# KiCad board Tartarus Liquid Rocketry Control System.kicad_pcb (continued)
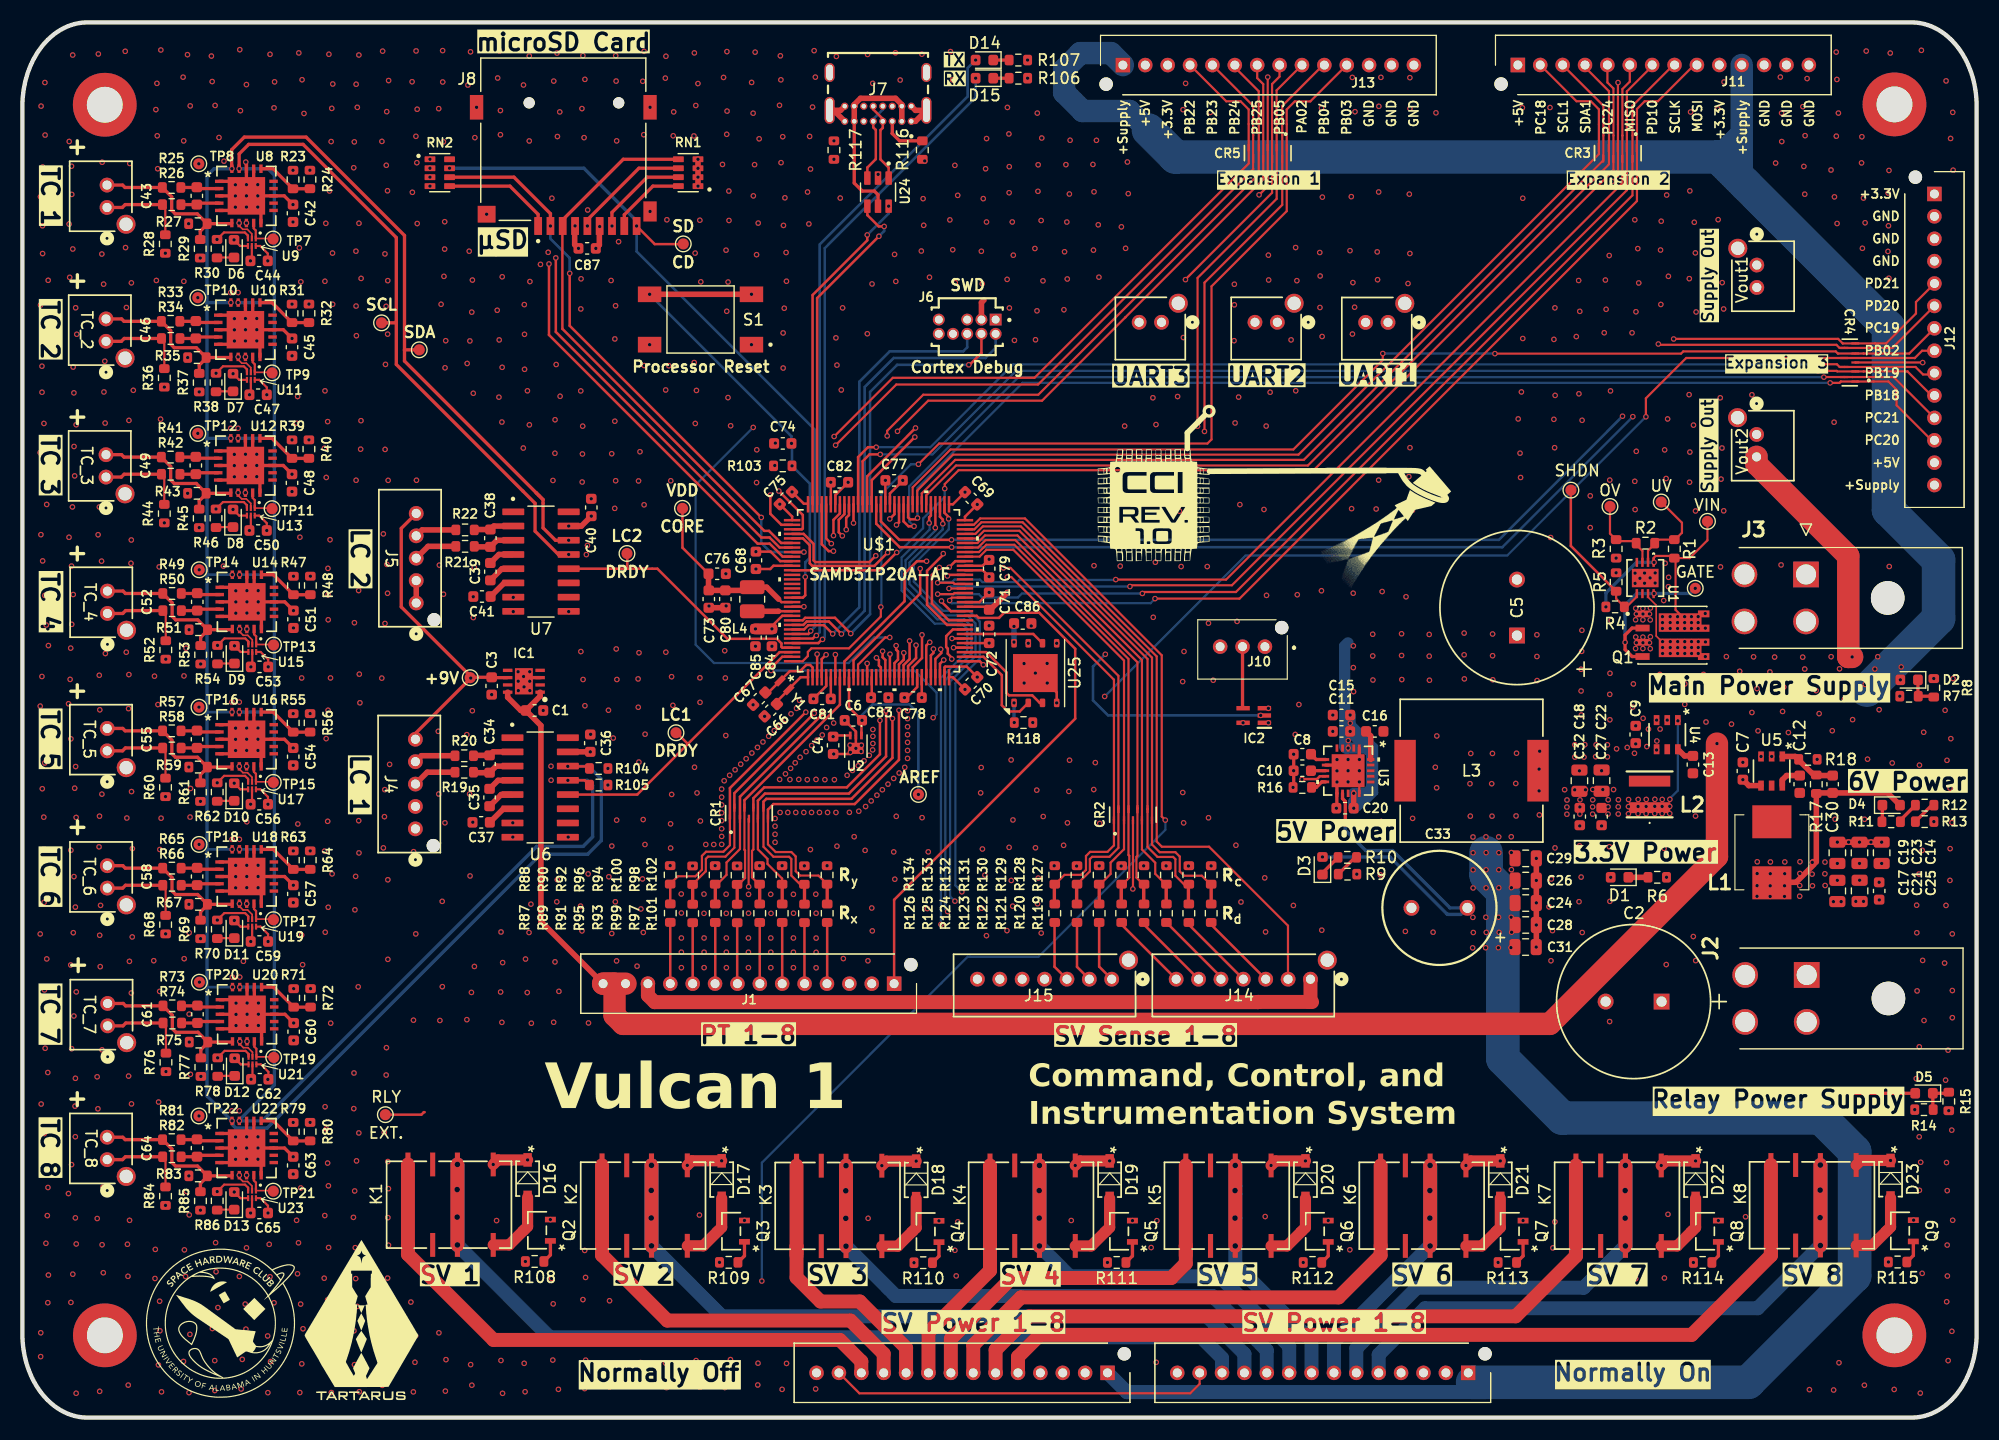
[diagram p0: board, top side]
## Routing (per net, layer and track width the routed paths; a pad name or vN(x,y) marks a point on that pad's centre or on a via; arc(x,y) is an arc through that point) (continued)
D27_SV6_SENSE_PA13: length 42.6
  Top w0.2: 96.21,46.25 96.21,47.56 96.24,47.56 97.23,48.56 97.23,49.57 98.43,50.77 CR2.2 98.43,67.62 88.54,77.51 86.14,77.51 85.52,76.9 U$1.56
  Top w0.3: 96.22,47.63 96.22,45.87 96.23,45.86
D28_SV_LEDS_CTRL_PA14: length 58.5
  Top w0.2: J14.2 113.08,39.17 113.08,43.94 106.03,50.99 101.81,50.99 101.35,51.45 101.35,67.99 89.37,79.97 85.69,79.97 85.06,79.33 U$1.62
D29_PB19: length 104.1
  Top w0.2: v1(159.96,94.07) 159.97,94.08 162.13,94.08 162.37,93.84 CR4.8 169.15,93.84 169.82,93.17 170.71,93.17
  Top w0.23: U$1.85 74.67,85.78 75.55,86.67 v1(76.29,86.67)
  Bottom w0.2: v1(76.29,86.67) 81.12,86.67 88.52,94.07 v1(159.96,94.07)
D36_SV8_SENSE_PA12: length 44.9
  Top w0.2: 92.22,47.58 93.12,48.48 94.59,48.48 95.03,48.92 95.03,50.16 95.4,50.53 96.95,50.53 97.53,51.11 97.53,53.45 ; v1(88,75.08) 88.36,75.08 97.53,65.91 CR2.1
  Top w0.23: U$1.52 82.75,75.27 v1(82.65,75.17)
  Top w0.3: 92.21,45.87 92.21,47.63 92.2,47.64
  In3.Cu w0.23: v1(88,75.08) 87.52,74.6 83.59,74.6 83.01,75.17 v1(82.65,75.17)
D38_PB15_EXT_LEDS_CTRL: length 39.4
  Top w0.23: 82.02,72.97 82.05,72.94 v1(82.12,72.94) 82.12,72.87 82.97,72.02 U$1.44
  In3.Cu w0.23: v1(96.76,68.18) 92.48,72.46 82.6,72.46 v1(82.12,72.94)
  Bottom w0.23: v1(96.76,68.18) 95.66,67.08 95.66,64.06 97,62.72 v1(110.64,62.72)
D39_PT_LEDS_CTRL_PB14: length 48.1
  Top w0.23: J1.1 77.89,46.25 94.07,62.43 94.07,68.67 90.85,71.89 87.72,71.89 87.26,71.43 85.44,71.43 85.25,71.61 U$1.43
D40_SV2_SENSE_PC13: length 47.2
  Top w0.2: U$1.60 85.24,78.52 85.92,79.21 89.08,79.21 100.53,67.76 CR2.6 100.53,50.97 101.42,50.08 102.82,50.08 103.02,49.88 103.02,48.4 103.87,47.55 104.22,47.55 104.22,46.24
  Top w0.3: 104.19,47.62 104.19,45.86 104.2,45.85
D41_SV4_SENSE_PC12: length 43.7
  Top w0.2: U$1.58 85.39,77.71 86.06,78.38 88.72,78.38 99.63,67.47 CR2.7 ; 100.22,47.55 99.54,48.23 99.54,50.09 99.63,50.18 99.63,54.44 ; 100.22,47.55 100.22,46.24 ; 100.22,47.55 100.12,47.55
  Top w0.3: 100.19,47.63 100.19,45.87 100.2,45.86
D42_SV3_SENSE_PC15: length 44.9
  Top w0.2: 100.03,53.45 100.03,50.75 101.22,49.56 101.22,48.57 102.22,47.57 102.22,46.24 ; CR2.4 100.03,67.67 88.91,78.79 86.01,78.79 85.34,78.12 U$1.59
  Top w0.3: 102.2,47.63 102.2,45.87 102.21,45.86
D43_SV1_SENSE_PC14: length 49.2
  Top w0.2: 106.22,46.24 106.22,47.56 105.38,48.4 103.8,48.4 103.41,48.79 103.41,50.11 103.02,50.5 101.62,50.5 100.93,51.19 CR2.5 100.93,67.88 89.21,79.6 85.82,79.6 85.15,78.93 U$1.61
  Top w0.3: 106.22,47.63 106.22,45.87 106.23,45.86
D44_SV5_SENSE_PC11: length 42.7
  Top w0.2: U$1.57 85.47,77.3 86.13,77.96 88.63,77.96 98.83,67.76 CR2.8 98.83,50.25 98.9,50.18 98.9,48.23 98.22,47.55 98.22,46.24
  Top w0.3: 98.19,45.84 98.18,45.85 98.18,47.61
D45_SV7_SENSE_PC10: length 45.1
  Top w0.2: 97.93,54.44 97.93,50.89 97.13,50.09 95.58,50.09 95.38,49.89 95.38,48.79 94.23,47.64 94.23,46.26 ; CR2.9 97.93,66.25 88.29,75.89 v1(87.65,75.89)
  Top w0.23: v1(82.81,75.95) 83.35,76.49 U$1.55
  Top w0.3: 94.2,47.61 94.2,45.85 94.21,45.84
  In3.Cu w0.23: v1(82.81,75.95) 87.59,75.95 v1(87.65,75.89)
D88_PC24: length 99
  Top w0.2: J11.5 141.62,119.25 142.16,118.71 142.16,111.41 115.37,84.62 83.65,84.62 82.41,83.38 v1(82.41,82.97)
  Top w0.23: U$1.108 72.05,75.68 76.52,75.68 78.11,77.27 v1(78.12,77.27)
  Bottom w0.2: v1(78.12,77.27) 78.3,77.27 80.48,79.45 80.48,80.3 82.41,82.23 v1(82.41,82.97)
FLASH_CS: length 13.2
  Top w0.23: U$1.40 83.14,70.39 82.54,69.8 82.54,68.82 82.68,68.68 82.68,68.22 83.04,67.87 v1(83.04,67.75)
  In3.Cu w0.23: v1(88.61,63.83) 86.89,63.83 83.04,67.68 v1(83.04,67.75)
  Bottom w0.3: v1(88.61,63.83) 88.61,62.1 v1(88.63,62.08)
FLASH_IO0: length 9.1
  Top w0.23: v1(85.86,67.24) 85.55,67.55 U$1.33
  In3.Cu w0.23: v1(92.42,69.16) 91.37,68.12 86.74,68.12 v1(85.86,67.24)
FLASH_IO1: length 9.6
  Top w0.23: U25.2 89.11,63.07 88.07,63.07 87.51,63.63 87.51,66.32 85.87,67.96 U$1.34
FLASH_IO2: length 9.9
  Top w0.23: U$1.35 86.13,68.36 87.94,66.55 87.94,64.72 88.15,64.51 90.23,64.51 90.9,63.83 U25.3
FLASH_IO3: length 7.9
  Top w0.23: v1(83.2,68.77) U$1.36
  In3.Cu w0.23: v1(83.2,68.77) 83.31,68.66 89.38,68.66 v1(89.88,69.16)
FLASH_SCK: length 7.3
  Top w0.23: U25.6 90.32,69.99 U$1.39
MISO: length 89.5
  Top w0.2: J11.6 143.62,119.32 142.96,118.66 142.96,114.51 142.96,110.26 107.55,74.85 v1(97.69,74.85) ; U$1.50 83.28,74.46 83.17,74.57 v1(81.78,74.57)
  Bottom w0.2: v1(81.78,74.57) 81.85,74.64 83.08,74.64 83.29,74.85 85.56,74.85 85.78,74.63 88.89,74.63 89.08,74.82 97.67,74.82 97.69,74.8 v1(97.69,74.85)
MOSI: length 93.2
  Top w0.2: v1(101.2,73.15) 108.75,73.15 144.26,108.66 144.26,116.88 144.95,117.57 146.13,117.57 149.37,120.81 J11.9 ; 82.79,72.98 83.05,73.24 U$1.47
  Bottom w0.2: v1(101.2,73.15) 101.2,73.14 100.8,72.74 83.03,72.74 82.79,72.98
  vias: v1(82.85,72.98)
RXLED: length 58.6
  Top w0.23: U$1.124 71.12,69.17 71.45,69.5 v1(71.49,69.5)
  Bottom w0.23: v1(85.17,119.63) 85.17,117.92 71.69,104.44 71.69,69.7 v1(71.49,69.5)
SCK: length 92.8
  Top w0.2: v1(81.78,73.55) 83.18,73.55 83.28,73.65 U$1.48 ; J11.8 147.51,120.81 143.86,117.16 143.86,109.17 108.43,73.74 100.2,73.74 v1(100.07,73.61)
  Bottom w0.2: v1(100.07,73.61) 89.31,73.61 88.95,73.25 85.76,73.25 85.46,73.55 81.93,73.55 81.93,73.55 v1(81.78,73.55)
SCL_1: length 84.2
  Top w0.2: U$1.71 80.36,82.54 83.35,85.54 114.49,85.54 141.26,112.31 141.26,117.17 J11.3
SCL_PB21: length 243.3
  Top w0.23: U$1.87 73.86,80.6 73.61,80.36 v1(73.61,79.31) ; R105.2 50.25,56.92 v1(48.74,56.92)
  Top w0.3: TP5.1 33.41,97.78 33.41,97.91 ; 19.37,112.86 20.22,113.72 25.08,113.72 33.41,105.39 33.41,97.91 ; 33.41,97.91 33.41,94.06 45.81,81.66 45.81,79.17 47.89,77.09 v1(48.81,77.09) ; 19.37,112.86 v1(19.37,111.54)
  In3.Cu w0.23: v1(48.81,77.09) 51.03,79.31 v1(73.61,79.31)
  Bottom w0.23: 22.42,99.59 22.43,99.59 ; v1(19.41,75.28) 19.41,75.29 22.56,75.29 ; v1(19.39,50.75) 22.54,50.75
  Bottom w0.3: 22.51,38.61 22.51,29.7 19.38,26.58 ; 22.51,38.61 22.51,38.45 v1(19.42,38.45) ; 22.51,38.61 22.51,63.06 ; 22.51,63.06 22.47,63.01 v1(19.38,63.01) ; 22.51,63.06 22.51,66.82 22.52,66.82 22.52,67.28 22.51,67.28 22.51,87.47 ; 22.51,99.59 22.51,110.97 21.94,111.54 v1(19.37,111.54) ; 22.51,99.59 22.31,99.59 v1(19.28,99.59) ; 22.51,99.59 22.51,87.47 ; v1(48.74,56.92) 50.48,56.92 50.95,56.45 50.95,51.87 50.1,51.02 45.96,51.02 21.45,26.5 v1(19.38,26.5) ; 22.51,87.47 22.51,87.46 v1(19.28,87.46)
SD_CD: length 68.7
  Top w0.23: v1(54.88,106.43) 56.5,104.81 59.03,104.81 TP25.1 59.04,104.82 ; v1(70.43,70.26) 70.43,70.2 70.22,69.99 U$1.122
  Bottom w0.23: v1(70.43,70.26) 70.82,70.64 70.82,88.22 54.88,104.16 v1(54.88,106.43)
  Bottom w0.3: v1(38.17,111.59) 50.17,111.59 54.88,106.88 v1(54.88,106.43)
SD_CS: length 52.8
  Top w0.23: v1(69.83,77.3) U$1.104 ; v1(66.02,80.4) 48.9,97.52 v1(48.9,102.2)
  Top w0.3: v1(47.18,106.43) 47.18,107.53 43.92,110.79 RN2.6
  Bottom w0.23: v1(69.83,77.3) 69.83,77.31 66.83,77.31 66.02,78.12 v1(66.02,80.4) ; v1(48.9,102.2) 48.9,103.57 47.18,105.29 v1(47.18,106.43)
SD_MISO: length 53.3
  Top w0.23: U$1.105 67.93,76.9 66.77,78.06 65.69,78.06 47.05,96.7 v1(47.05,103.04)
  Top w0.3: v1(52.68,106.43) 52.68,107.64 55.83,110.79 RN1.7
  In3.Cu w0.23: v1(47.05,103.04) 51.98,103.04 52.65,103.71 52.65,106.4 v1(52.68,106.43)
SD_MOSI: length 50.8
  Top w0.23: J8.3 48.25,106.4 48.25,97.24 66.29,79.2 66.71,79.2 67.79,78.12 U$1.102
  Top w0.3: RN1.5 53.69,112.39 48.28,106.98 J8.3
SD_SCK: length 51.8
  Top w0.23: U$1.103 67.66,77.71 66.76,78.61 66.02,78.61 47.66,96.97 v1(47.66,103.58)
  Top w0.3: v1(50.48,106.43) 50.48,106.98 55.09,111.59 RN1.6
  In3.Cu w0.23: v1(50.48,106.43) 50.45,106.4 50.45,103.8 50.23,103.58 v1(47.66,103.58)
SDA_1: length 83.8
  Top w0.2: J11.4 139.62,120.61 141.76,118.47 141.76,111.94 114.86,85.04 83.42,85.04 80.76,82.38 U$1.70
SDA_PB20: length 241.4
  Top w0.23: v1(74.26,79.9) 74.26,81.57 U$1.86 ; R104.2 50.49,58.16 48.77,58.16 U6.14
  Top w0.3: TP6.1 34.16,95.37 34.14,95.35 ; v1(48.81,78.36) 47.63,78.36 46.52,79.47 46.52,81.99 ; 45.91,82.6 46.52,81.99 ; 45.91,82.6 34.14,94.37 34.14,95.35 ; 45.91,82.6 46.52,81.99 ; 18.7,111.53 18.7,113.23 19.83,114.37 25.35,114.37 34.14,105.58 34.14,95.35
  In3.Cu w0.23: v1(74.26,79.9) 74.09,79.9 74.05,79.86 50.31,79.86 v1(48.81,78.36)
  Bottom w0.23: 16.51,50.75 16.51,50.75 v1(18.74,50.75) ; 16.5,63.01 16.5,63.01 v1(18.73,63.01) ; v1(18.77,38.45) 16.54,38.45 16.54,38.44 ; 16.53,75.28 v1(18.76,75.28)
  Bottom w0.3: 18.71,26.5 16.5,28.72 16.5,87.41 16.49,87.43 ; v1(18.63,87.46) 16.52,87.46 16.49,87.43 ; 16.49,99.61 16.51,99.59 v1(18.63,99.59) ; 16.49,99.61 16.49,87.43 ; 16.49,99.61 16.49,110.9 17.13,111.54 v1(18.72,111.54) ; v1(18.73,26.5) 18.83,26.5 18.83,26.09 19.07,25.86 21.86,25.86 46.32,50.32 50.51,50.32 51.73,51.54 51.73,57.03 50.59,58.17 v1(48.73,58.17)
SS: length 88.9
  Top w0.2: v1(98.96,74.23) 99.07,74.34 108.07,74.34 143.36,109.63 143.36,118.45 145.62,120.71 J11.7 ; U$1.49 84.21,74.05 v1(82.79,74.05)
  Bottom w0.2: v1(82.79,74.05) 82.97,74.23 v1(98.96,74.23)
SWCLK: length 41.3
  Top w0.23: v1(84.56,94.03) 84.62,94.09 84.69,94.09 85.69,95.09 J6.04 ; U$1.119 69.72,71.21 69.95,71.43 72.6,71.43 v1(74.01,70.03)
  Bottom w0.23: v1(84.56,94.03) 78.16,94.03 75.74,91.61 75.74,71.76 v1(74.01,70.03)
SWDIO: length 42.3
  Top w0.23: U$1.120 69.78,70.8 70.08,71.1 72.06,71.1 v1(73.18,69.99)
  Bottom w0.23: v1(73.18,69.99) 75.26,72.07 75.26,92.05 77.85,94.64 86.05,94.64 86.96,95.55 J6.02
SWO: length 39.7
  Top w0.23: U$1.121 69.84,70.39 70.22,70.77 71.63,70.77 v1(72.4,70)
  Bottom w0.23: J6.06 84.42,95.59 84.06,95.23 77.49,95.23 74.78,92.52 74.78,72.38 v1(72.4,70)
TXLED: length 59.6
  Top w0.23: v1(70.94,69.85) 70.85,69.76 70.8,69.76 70.62,69.58 U$1.123
  Bottom w0.23: v1(70.94,69.85) 71.24,70.15 71.24,104.78 84.46,118 84.46,120.53 v1(85.17,121.25)
UART1_RX: length 56.9
  Top w0.23: v1(81.93,75.93) 81.26,75.26 81.26,72.71 82.77,71.21 U$1.42
  In3.Cu w0.23: v1(81.93,75.93) 82.68,76.68 82.69,76.68 82.7,76.68 83.12,76.68 83.13,76.68 83.74,76.68 84.26,77.2 102.67,77.2 122.02,96.54 122.02,97.71
UART1_TX: length 57.2
  Top w0.23: v1(82.28,77.17) 82.28,77.08 80.83,75.63 80.83,72.59 82.62,70.8 U$1.41
  In3.Cu w0.23: v1(82.28,77.17) 82.33,77.22 83.44,77.22 84.08,77.86 102.42,77.86 120.02,95.45 UART1.2 119.91,97.71 119.8,97.71
UART2_RX: length 42.5
  Top w0.23: v1(77.5,80.27) 77.92,80.69 U$1.77
  In3.Cu w0.23: UART2.2 110.13,96 98.51,84.38 81.59,84.38 77.5,80.29 v1(77.5,80.27)
UART2_TX: length 43.9
  Top w0.23: v1(78.1,79.73) 78.33,79.95 U$1.76
  In3.Cu w0.23: 111.66,97.77 111.66,97.79 ; UART2.1 112.13,97.03 98.78,83.68 82.05,83.68 v1(78.1,79.73)
UART3_RX: length 34.3
  Top w0.23: v1(79.8,88.39) 75.48,84.07 U$1.83
  In3.Cu w0.23: v1(79.8,88.39) 93.41,88.39 99.78,94.76 UART3.2
UART3_TX: length 35.1
  Top w0.23: v1(79.74,87.58) 75.89,83.72 U$1.82
  In3.Cu w0.23: UART3.1 101.78,95.71 93.65,87.58 v1(79.74,87.58)
USB_VBUS: length 16.8
  Top w0.3: U24.5 76.45,109.22 76.12,109.55 75.04,109.55 74.33,110.26 J7.A9
  Top w0.5: J7.A4 78.58,117.27 78.02,117.83 74.89,117.83 74.33,117.27 J7.A9
~{RESET}: length 61.7
  Top w0.23: U$1.114 69.74,73.24 69.95,73.45 v1(69.95,75.09)
  Top w0.5: 68.71,87.15 68.72,87.15 v1(68.72,87.01) ; v1(56.04,100.33) v1(65.14,100.33)
  In3.Cu w0.5: J6.10 79.57,96.8 76.04,100.33 v1(65.14,100.33)
  Bottom w0.23: v1(69.95,75.09) 69.95,76.39 70.36,76.8 70.36,83.41 v1(68.77,85.01) 68.77,86.96 v1(68.72,87.01) 68.72,87.64 56.04,100.31 v1(56.04,100.33)
Net-(D1-K): length 1.8
  Top w0.5: D1.1 R6.2
Net-(D2-K): length 2.9
  Top w0.3: R8.1 170.71,64.43 R7.1 169.37,64.46 D2.1
Net-(D3-K): length 2.1
  Top w0.3: D3.1 116.16,48.64 R9.2
Net-(D4-K): length 1.5
  Top w0.3: D4.1 166.19,53.26 R11.2
Net-(D5-K): length 2.9
  Top w0.3: 172.12,29.06 172.03,28.97 D5.1 170.7,27.54 R14.1
Net-(D6-K): length 1.5
  Top w0.2: R30.2 17.43,103.61 D6.1
Net-(D7-K): length 1.5
  Top w0.2: R38.2 17.34,91.66 D7.1
Net-(D8-K): length 1.5
  Top w0.2: R46.2 17.34,79.53 D8.1
Net-(D9-K): length 1.5
  Top w0.2: D9.1 17.47,67.35 R54.2
Net-(D10-K): length 1.5
  Top w0.2: D10.1 17.45,55.08 R62.2
Net-(D11-K): length 1.5
  Top w0.2: D11.1 17.46,42.82 R70.2
Net-(D12-K): length 1.5
  Top w0.2: R78.2 17.49,30.52 D12.1
Net-(D13-K): length 1.5
  Top w0.2: D13.1 17.45,18.57 R86.2
Net-(D14-K): length 1.4
  Top w0.3: D14.1 R106.2
Net-(D15-K): length 1.4
  Top w0.3: D15.1 R107.1
Net-(D16-A): length 6.3
  Top w1: D16.2 45.14,17.07 Q2.3 43.49,15.42 K1.8
Net-(D17-A): length 6.3
  Top w1: D17.2 62.48,16.99 Q3.3 60.83,15.34 K2.8
Net-(D18-A): length 6.3
  Top w1: K3.8 78.21,15.31 Q4.3 79.86,16.96 D18.2
Net-(D19-A): length 6.3
  Top w1: D19.2 97.15,16.98 Q5.3 95.5,15.33 K4.8
Net-(D20-A): length 6.3
  Top w1: D20.2 114.64,16.98 Q6.3 112.99,15.33 K5.8
Net-(D21-A): length 6.3
  Top w1: K6.8 130.4,15.33 Q7.3 132.05,16.98 D21.2
Net-(D22-A): length 6.3
  Top w1: K7.8 147.85,15.33 Q8.3 149.5,16.98 D22.2
Net-(D23-A): length 6.3
  Top w1: D23.2 166.92,17.02 Q9.3 165.27,15.37 K8.8
Net-(IC2-Y): length 5.5
  Top w0.3: J10.2 109.02,63.41 IC2.4
Net-(J3-1_2): length 20.5
  Top w0.2: R1.1 148.97,76.76 150.56,78.36 TP28.1 ; R1.1 147.71,76.65 147.71,72.14 Q1.7_8 ; R1.1 147.41,76.96 145.93,76.96 145.75,76.78 U1.1
  Bottom w0.3: v1(141.49,72.41) 141.49,73.64 144.22,76.38 v1(145.79,76.38)
  vias: v1(146.54,71.54) v1(146.54,71.01) v1(146.54,70.48) v1(147.23,71.54) v1(147.23,71.01) v1(147.23,70.48) v1(147.89,71.54) v1(147.89,71.01) v1(147.89,70.48) v1(148.52,71.54) v1(148.52,71.01) v1(148.52,70.48) v1(149.13,71.54) v1(149.13,71.01) v1(149.13,70.48) v1(149.73,71.54) v1(149.73,71.01) v1(149.73,70.48) v1(150.36,71.82) v1(150.37,70.51)
Net-(J4-Pad3): length 4
  Top w0.5: J4.3 36.17,57.64 R19.1
Net-(J4-Pad4): length 3.8
  Top w0.5: 38.66,59.11 35.64,59.11 J4.4
Net-(J5-Pad3): length 4
  Top w0.5: R21.1 36.25,77.81 J5.3
Net-(J5-Pad4): length 3.8
  Top w0.5: J5.4 35.72,79.28 R22.1
Net-(J7-CC1): length 4.1
  Top w0.3: J7.A5 77.73,114.69 77.72,114.69 78.38,114.03 R116.2
Net-(J7-CC2): length 5
  In3.Cu w0.23: v1(72.51,114.03) 72.87,114.39 72.87,116.15 73.14,116.42 74.47,116.42 J7.B5
Net-(J7-DN1): length 7.2
  Top w0.23: J7.A7 76.03,115.23 76.25,115.01 76.25,112.4 75.5,111.65 U24.3
  Bottom w0.23: J7.B7 76.88,116.82 76.03,115.97 J7.A7
Net-(J7-DP1): length 7.2
  Top w0.23: J7.B6 76.03,116.84 76.88,115.99 J7.A6 76.88,115.19 76.67,114.99 76.67,112.38 77.4,111.65 U24.1
Net-(J8-DAT1): length 6.9
  Top w0.3: J8.8 53.78,107.43 56.34,109.99 RN1.8
Net-(J8-DAT2): length 10
  Top w0.3: RN2.5 43.56,109.99 46.08,107.47 J8.1
Net-(J14-Pad3): length 7.1
  Top w0.23: J14.3 106.22,44.03 R119.1
Net-(J14-Pad4): length 7.1
  Top w0.23: J14.4 104.22,44.03 R120.1
Net-(J14-Pad5): length 7.1
  Top w0.23: J14.5 107.09,39.35 R121.1
Net-(J14-Pad6): length 7.1
  Top w0.23: J14.6 100.22,44.03 R122.1
Net-(J14-Pad7): length 7.1
  Top w0.23: R123.1 98.22,44.03 J14.7
Net-(J15-Pad1): length 5.5
  Top w0.23: J15.1 96.21,40.28 R124.1
Net-(J15-Pad2): length 5.5
  Top w0.23: J15.2 94.23,40.26 R125.1
Net-(J15-Pad3): length 5.5
  Top w0.23: R126.1 92.22,44.2 92.22,40.27 J15.3
Net-(Q1-Pad1):
  vias: v1(144.15,72.29) v1(144.21,71.78) v1(144.14,71.26) v1(144.15,69.72) v1(144.21,69.21) v1(144.14,68.69) v1(144.79,72.28) v1(144.8,71.77) v1(144.79,71.26) v1(144.79,69.71) v1(144.8,69.2) v1(144.79,68.69) v1(145.38,71.78) v1(145.38,69.21) v1(145.46,72.31) v1(145.45,71.25) v1(145.46,69.74) v1(145.45,68.68)
Net-(Q2-G): length 2.1
  Top w0.3: 47.18,15.78 47.18,14.53 R108.1
Net-(Q3-G): length 2.1
  Top w0.3: 64.52,15.7 64.52,14.45 R109.1
Net-(Q4-G): length 2.1
  Top w0.3: Q4.1 81.9,14.42 81.32,13.84
Net-(Q5-G): length 2.1
  Top w0.3: Q5.1 99.18,14.44 R111.1
Net-(Q6-G): length 2.1
  Top w0.3: R112.1 116.68,14.44 Q6.1
Net-(Q7-G): length 2.1
  Top w0.3: Q7.1 134.09,14.44 R113.1
Net-(Q8-G): length 2.1
  Top w0.3: Q8.1 151.54,14.44 R114.1
Net-(Q9-G): length 2.1
  Top w0.3: Q9.1 168.96,14.48 R115.1
Net-(R10-Pad2): length 2.3
  Top w0.3: R10.2 119.08,50.04 R9.1
Net-(R11-Pad1): length 2
  Top w0.3: R12.2 167.8,53.36 R11.1
Net-(R12-Pad1): length 2.3
  Top w0.3: R12.1 170.61,54.7 R13.2
Net-(R26-Pad2): length 8
  Top w0.2: R26.2 12.77,108.08 12.77,105.46
  Top w0.3: R26.2 9.19,108.34 8.93,108.08 7.56,108.08
Net-(R34-Pad2): length 8
  Top w0.2: 12.68,93.5 12.68,96.13 R34.2
  Top w0.3: R34.2 9.1,96.38 8.84,96.13 TC_2.1
Net-(R42-Pad2): length 8
  Top w0.2: 12.68,81.38 12.68,84 R42.2
  Top w0.3: TC_3.1 8.84,84 9.1,84.26 R42.2
Net-(R50-Pad2): length 8
  Top w0.2: 12.81,69.2 12.81,71.82 R50.2
  Top w0.3: 7.6,71.82 8.97,71.82 9.23,72.08 R50.2
Net-(R58-Pad2): length 8
  Top w0.2: 12.79,56.93 12.79,59.55 R58.2
  Top w0.3: 7.58,59.55 8.95,59.55 9.2,59.81 R58.2
Net-(R66-Pad2): length 8
  Top w0.2: R66.2 12.8,47.29 12.8,44.67
  Top w0.3: 7.59,47.29 8.96,47.29 9.21,47.55 R66.2
Net-(R74-Pad2): length 8
  Top w0.2: R74.2 12.83,34.99 12.83,32.36
  Top w0.3: TC_7.1 8.99,34.99 9.24,35.24 R74.2
Net-(R82-Pad2): length 8
  Top w0.2: 12.79,20.42 12.79,23.04 R82.2
  Top w0.3: R82.2 9.2,23.3 8.95,23.04 7.58,23.04
Net-(U1-GATE): length 15.1
  Top w0.3: Q1.2 143.83,70.51 143.2,69.89 v1(143.2,69.24) 143.2,68.6 143.83,67.97 Q1.4
  Bottom w0.3: v1(149.47,74.07) 149.01,73.61 145.8,73.61 v1(145.79,73.6) 144.23,73.6 143.2,72.57 v1(143.2,69.24)
Net-(U1-OV): length 7.1
  Top w0.2: TP27.1 141.85,78.96 142.39,78.41 R3.1 142.54,78.28 144.02,78.28 R2.2 144.2,77.96 144.75,77.41 U1.3
Net-(U1-SHDN): length 14.2
  Top w0.2: R5.1 142.4,73.14 143.14,72.41 143.33,72.41 144.25,73.33 U1.5
  Top w0.23: TP29.1 138.35,82.83 138.35,77.85 R5.1
Net-(U1-UV): length 8.3
  Top w0.2: TP4.1 148.28,79.93 148.28,79.03 147.67,78.41 R1.2 146.16,78.41 R2.1 145.85,78.02 145.25,77.43 U1.2
Net-(U3-BST): length 2.7
  Top w0.5: C16.2 120.47,60.87 U3.20
Net-(U3-INTVCC): length 1.5
  Top w0.3: U3.6 115.6,58.78 C8.1
Net-(U3-RT): length 1.5
  Top w0.3: U3.10 116.1,56.78 115.61,56.29 R16.2
Net-(U3-SS): length 1.3
  Top w0.3: U3.8 115.14,57.78 C10.1
Net-(U4-BST): length 1.6
  Top w0.5: C13.1 148.51,59.1 U4.6
Net-(U5-BST): length 2.2
  Top w0.5: C12.1 157.63,57.34 157.25,56.96 U5.6
Net-(U5-FB): length 5.2
  Top w0.5: U5.1 158.4,59.05 160.1,57.34 C30.2
Net-(U6-VBG): length 2.5
  Top w0.5: C37.2 42.98,54.38 U6.6
Net-(U6-VIN1N): length 3.6
  Top w0.5: 40.31,59.11 40.34,59.15 C34.1 42.05,59.46 U6.2
Net-(U6-VIN1P): length 3.7
  Top w0.5: R19.2 40.35,57.6 C34.2 42.33,58.19 U6.3
Net-(U6-VIN2N): length 2.4
  Top w0.5: C35.1 42.5,56.92 U6.4
Net-(U6-VIN2P): length 2.5
  Top w0.5: U6.5 42.78,55.65 C35.2
Net-(U7-VBG): length 2.5
  Top w0.5: C41.2 43.05,74.55 U7.6
Net-(U7-VIN1N): length 3.6
  Top w0.5: U7.2 42.12,79.63 C38.1 40.41,79.32 R22.2
Net-(U7-VIN1P): length 3.7
  Top w0.5: U7.3 42.4,78.36 C38.2 40.42,77.77 R21.2
Net-(U7-VIN2N): length 2.4
  Top w0.5: U7.4 42.57,77.09 C39.1
Net-(U7-VIN2P): length 2.5
  Top w0.5: U7.5 42.85,75.82 C39.2
Net-(U8-ADDR): length 5.1
  Top w0.3: U8.16 22.39,111.54 24.18,109.75 25.69,109.75 R23.2
Net-(U8-OCALERT): length 3
  Top w0.15: TP7.1 22.35,105.31 20.85,105.31
  Top w0.2: U8.9 20.67,106.22 20.85,106.03 20.85,105.31
Net-(U8-SCALERT): length 9.1
  Top w0.15: v1(19.37,106.69) 19.37,106.46 19.69,106.13 20.1,106.13 20.5,105.73 20.5,105.31
  Top w0.2: v1(19.37,106.69) 19.37,106.46
  In3.Cu w0.3: v1(19.37,106.69) 15.76,110.3 v1(15.76,111.98)
Net-(U8-VIN+): length 3.5
  Top w0.3: U8.2 15.71,109.77 C43.1 15.56,109.87 R25.1
Net-(U8-VIN-): length 3.5
  Top w0.3: 14.17,108.34 15.58,108.34 C43.2 15.71,108.47 U8.4
Net-(U8-VSENSE): length 15
  Top w0.3: R27.1 15.63,107.51 13.66,107.51 13.34,107.83 13.34,109.03 R25.2 9.17,109.87 8.95,110.08 TC_1.2 ; R27.1 18.66,106.63 U8.6 ; R27.1 16.51,106.57 15.89,105.96 R29.2
Net-(U10-ADDR): length 5.1
  Top w0.3: U10.16 22.3,99.59 R32.1 25.6,97.8 R31.2
Net-(U10-OCALERT): length 3
  Top w0.15: U11.1 22.26,93.36 TP9.1
  Top w0.2: U11.1 20.76,94.08 20.58,94.26 U10.9
Net-(U10-SCALERT): length 9.1
  Top w0.15: v1(19.28,94.74) 19.28,94.5 19.6,94.17 20.01,94.17 20.41,93.77 U11.2
  Top w0.2: v1(19.28,94.74) 19.28,94.51
  In3.Cu w0.3: v1(15.67,100.03) 15.67,98.34 v1(19.28,94.74)
Net-(U10-VIN+): length 3.5
  Top w0.3: R33.1 15.47,97.91 C46.1 15.62,97.81 U10.2
Net-(U10-VIN-): length 3.5
  Top w0.3: R34.1 15.49,96.38 C46.2 15.62,96.51 U10.4
Net-(U10-VSENSE): length 15
  Top w0.3: R35.1 18.57,94.68 U10.6 ; R35.1 16.42,94.62 15.8,94 R37.2 ; R35.1 15.54,95.55 13.57,95.55 13.25,95.87 13.25,97.08 R33.2 9.08,97.91 8.86,98.13 TC_2.2
Net-(U12-ADDR): length 5.1
  Top w0.3: U12.16 22.3,87.46 R40.1 25.6,85.67 R39.2
Net-(U12-OCALERT): length 3
  Top w0.15: TP11.1 22.26,81.23 U13.1
  Top w0.2: U12.9 20.58,82.14 20.76,81.95 U13.1
Net-(U12-SCALERT): length 9.1
  Top w0.15: v1(19.28,82.61) 19.28,82.38 19.6,82.05 20.01,82.05 20.41,81.65 U13.2
  Top w0.2: v1(19.28,82.61) 19.28,82.38
  In3.Cu w0.3: v1(19.28,82.61) 15.67,86.22 v1(15.67,87.9)
Net-(U12-VIN+): length 3.5
  Top w0.3: U12.2 15.62,85.69 C49.1 15.47,85.79 R41.1
Net-(U12-VIN-): length 3.5
  Top w0.3: U12.4 15.62,84.39 C49.2 15.49,84.26 R42.1
Net-(U12-VSENSE): length 15
  Top w0.3: R43.1 16.42,82.49 15.8,81.88 R45.2 ; R43.1 18.57,82.55 U12.6 ; R43.1 15.54,83.43 13.57,83.43 13.25,83.75 13.25,84.95 R41.2 9.08,85.79 8.86,86 TC_3.2
Net-(U14-ADDR): length 5.1
  Top w0.3: 21.36,75.28 22.43,75.28 24.22,73.49 25.73,73.49 R47.2
Net-(U14-OCALERT): length 3
  Top w0.15: TP13.1 22.39,69.05 U15.1
  Top w0.2: U14.9 20.71,69.96 20.89,69.77 U15.1
Net-(U14-SCALERT): length 9.1
  Top w0.15: U15.2 20.54,69.47 20.14,69.87 19.73,69.87 19.41,70.2 v1(19.41,70.43)
  Top w0.2: v1(19.41,70.43) 19.41,70.2
  In3.Cu w0.3: v1(15.8,75.72) 15.8,74.04 v1(19.41,70.43)
Net-(U14-VIN+): length 3.5
  Top w0.3: R49.1 15.6,73.61 C52.1 15.75,73.51 U14.2
Net-(U14-VIN-): length 3.5
  Top w0.3: R50.1 15.62,72.08 C52.2 15.75,72.21 U14.4
Net-(U14-VSENSE): length 15
  Top w0.3: R51.1 16.55,70.31 15.93,69.7 R53.2 ; R51.1 15.67,71.25 13.7,71.25 13.38,71.57 13.38,72.77 R49.2 9.21,73.61 8.99,73.82 TC_4.2 ; R51.1 18.7,70.37 U14.6
Net-(U16-ADDR): length 5.1
  Top w0.3: R55.2 25.7,61.22 R56.1 22.41,63.01 U16.16
Net-(U16-OCALERT): length 3
  Top w0.15: TP15.1 22.37,56.78 U17.1
  Top w0.2: U17.1 20.87,57.5 20.68,57.69 U16.9
Net-(U16-SCALERT): length 9.1
  Top w0.15: v1(19.38,58.16) 19.38,57.93 19.71,57.6 20.12,57.6 20.52,57.2 U17.2
  Top w0.2: v1(19.38,58.16) 19.38,57.93
  In3.Cu w0.3: v1(19.38,58.16) 15.78,61.77 v1(15.78,63.45)
Net-(U16-VIN+): length 3.5
  Top w0.3: R57.1 15.58,61.34 C55.1 15.73,61.24 U16.2
Net-(U16-VIN-): length 3.5
  Top w0.3: U16.4 15.73,59.94 C55.2 15.6,59.81 R58.1
Net-(U16-VSENSE): length 15
  Top w0.3: R59.1 18.67,58.1 U16.6 ; R59.1 16.52,58.04 15.91,57.43 R61.2 ; R59.1 15.65,58.98 13.68,58.98 13.36,59.3 13.36,60.5 R57.2 9.18,61.34 8.97,61.55 7.58,61.55
Net-(U18-ADDR): length 5.1
  Top w0.3: U18.16 22.42,50.75 R64.1 25.71,48.96 R63.2
Net-(U18-OCALERT): length 3
  Top w0.15: TP17.1 22.38,44.52 U19.1
  Top w0.2: U19.1 20.88,45.24 20.69,45.43 U18.9
Net-(U18-SCALERT): length 9.1
  Top w0.15: U19.2 20.53,44.94 20.13,45.34 19.72,45.34 19.39,45.67 v1(19.39,45.9)
  Top w0.2: v1(19.39,45.9) 19.39,45.67
  In3.Cu w0.3: v1(19.39,45.9) 15.79,49.51 v1(15.79,51.19)
Net-(U18-VIN+): length 3.5
  Top w0.3: U18.2 15.74,48.98 C58.1 15.59,49.08 R65.1
Net-(U18-VIN-): length 3.5
  Top w0.3: R66.1 15.61,47.55 15.74,47.68 U18.4
Net-(U18-VSENSE): length 15
  Top w0.3: U18.6 18.68,45.84 R67.1 ; R67.1 15.66,46.72 13.69,46.72 13.37,47.04 13.37,48.24 R65.2 9.19,49.08 8.98,49.29 TC_6.2 ; R67.1 16.53,45.78 15.92,45.17 R69.2
Net-(U20-ADDR): length 5.1
  Top w0.3: R71.2 25.74,36.66 R72.1 22.45,38.45 U20.16
Net-(U20-OCALERT): length 3
  Top w0.15: U21.1 22.41,32.22 TP19.1
  Top w0.2: U21.1 20.91,32.94 20.72,33.12 U20.9
Net-(U20-SCALERT): length 9.1
  Top w0.15: U21.2 20.56,32.63 20.16,33.04 19.75,33.04 19.42,33.36 v1(19.42,33.6)
  Top w0.2: v1(19.42,33.6) 19.42,33.37
  In3.Cu w0.3: v1(19.42,33.6) 15.82,37.2 v1(15.82,38.89)
Net-(U20-VIN+): length 3.5
  Top w0.3: R73.1 15.62,36.77 C61.1 15.77,36.67 U20.2
Net-(U20-VIN-): length 3.5
  Top w0.3: U20.4 15.77,35.37 C61.2 15.64,35.24 R74.1
Net-(U20-VSENSE): length 15
  Top w0.3: R77.2 15.95,32.87 16.56,33.48 R75.1 ; R75.1 15.69,34.42 13.72,34.42 13.4,34.74 13.4,35.94 R73.2 9.22,36.77 9.01,36.99 TC_7.2 ; R75.1 18.71,33.54 U20.6
Net-(U22-ADDR): length 5.1
  Top w0.3: U22.16 22.41,26.5 24.2,24.71 25.7,24.71 R79.2
Net-(U22-OCALERT): length 3
  Top w0.15: TP21.1 22.37,20.27 U23.1
  Top w0.2: U22.9 20.68,21.18 20.87,20.99 U23.1
Net-(U22-SCALERT): length 9.1
  Top w0.15: U23.2 20.52,20.69 20.12,21.09 19.71,21.09 19.38,21.42 v1(19.38,21.65)
  Top w0.2: v1(19.38,21.65) 19.38,21.42
  In3.Cu w0.3: v1(15.78,26.94) 15.78,25.26 v1(19.38,21.65)
Net-(U22-VIN+): length 3.5
  Top w0.3: U22.2 15.73,24.73 C64.1 15.58,24.83 R81.1
Net-(U22-VIN-): length 3.5
  Top w0.3: R82.1 15.6,23.3 C64.2 15.73,23.43 U22.4
Net-(U22-VSENSE): length 15
  Top w0.3: R83.1 18.67,21.59 U22.6 ; R83.1 15.65,22.47 13.68,22.47 13.36,22.79 13.36,23.99 R81.2 9.18,24.83 8.97,25.04 TC_8.2 ; R83.1 16.52,21.53 15.91,20.92 R85.2
Net-(U$1A-PA00/I0/SERCOM1.0/TC2.0): length 3.9
  Top w0.23: U$1.1 69.54,66.13 68.48,65.06 Y1.2 67.41,63.96 C66.2
Net-(U$1A-PA01/I1/SERCOM1.1/TC2.1): length 6.2
  Top w0.23: U$1.2 70.6,67 70.38,67.23 70.04,67.23 69.48,66.67 68.56,66.67 Y1.1 66.66,64.76 C67.2
Net-(U$1E-VDDCORE): length 19.2
  Top w0.23: U$1.115 67.82,72.83 67.57,73.09 67.57,73.1 67.56,73.1 66.49,74.17 L4.1 ; C76.1 58.98,77.69 TP26.1
  Top w0.5: 67.57,73.1 66.5,74.17 L4.1 64.93,73.88 C80.1 C73.1 61.31,73.91 C76.1
Net-(U$1E-VSW): length 5.9
  Top w0.23: U$1.117 65.21,72.02 L4.2
  Top w0.5: L4.2 67.54,72.02 67.54,72.02

## Copper pours and planes (outline as drawn; the poured copper is in the pictures)
+3V3 on Top: 147.58,55.43 147.57,53.56 137.47,53.62 137.46,56.75 142.08,56.76 143.11,55.59 147.58,55.6
+3V3 on In2.Cu: -6.93,128.81 180.62,128.81 180.75,-4.81 -6.93,-4.68 -6.94,128.82
+5V on Top: 114.16,39.65 114.15,36.86 114.65,36.5 133.04,36.48 134.18,37.07 134.19,41.08 128.02,41.08 126.55,40.14 119.22,40.12 114.66,40.1
+5V on Top, Bottom, In3.Cu: 136.48,60.53 136.37,60.64 129.38,60.66 127.97,59.25 127.95,40.52 128.69,39.96 133.78,39.96 134.18,40.4 134.19,51.44 136.5,52.51
+5V on In3.Cu: 135.02,68.41 134.38,68.77 132.69,68.77 132.2,69.22 132.23,71.76 131.63,72.36 110.84,72.36 110,71.73 110.03,66.44 110.74,65.7 119.05,65.7 119.65,65.24 119.65,62.99 120.07,62.49 127.95,62.48 128.45,62.21 128.44,58.75 134.98,58.73 135.02,60.28
+6V on Top: 154.64,46.15 154.25,46.54 154.25,49.42 154.79,50.06 166.67,50.07 166.86,49.88 166.85,47.45 166.55,47.17 159.94,47.19 158.94,46.16
+6V on In2.Cu: 153.23,48.79 154.81,50.08 166.67,50.08 166.86,49.89 166.88,22.17 165.16,20.15 41.04,20.17 39.93,21.37 39.93,26.51 41.3,28.48 148.77,28.39 151.42,30.96 151.44,47.43
GND on Top: 146.19,75.82 146.19,74.17 143.62,74.17 143.33,74.95 141.96,74.95 141.82,75.12 141.82,77.13 141.96,77.27 142.86,77.27 143.21,76.82 144.36,76.82 144.4,76.77 144.4,75.99 144.51,75.82
GND on Top: 138.3,57.15 141.96,57.15 142.15,57.41 142.15,58.81 142.46,59.07 146.32,59.06 146.37,59.12 146.37,60.61 146.23,60.73 143.41,60.73 142.94,60.51 138.28,60.51
GND on Top, Bottom, In1.Cu, In3.Cu, In4.Cu: -4.52,129.55 181.48,129.31 181.65,-6.42 -8.21,-7.26 -4.5,129.55 -4.51,129.55 -4.55,129.49 -4.55,129.5 -4.51,129.54
GND on In2.Cu: 57.63,37.61 56.88,38.08 56.97,50.23 58.24,51.54 61.48,51.54 62.07,52.11 62.07,56.6 62.08,57.05 68.57,63.41 68.94,63.77 79.5,63.76 79.49,58.51 79.49,58.05 74.98,53.66 73.56,53.66 72.84,52.91 72.85,38.18 72.58,37.55 57.64,37.59
+Relay_External on Top: 140.78,14.25 140.32,14.6 140.32,24.09 139.86,24.66 142.26,24.65 141.71,24.06 141.71,14.51 141.23,14.25
+Relay_External on Top: 158.21,14.29 157.75,14.64 157.75,24.13 157.29,24.7 159.69,24.69 159.14,24.1 159.14,14.55 158.66,14.29
+Relay_External on Top: 71.17,14.23 70.71,14.58 70.71,24.07 70.25,24.64 72.65,24.63 72.1,24.04 72.1,14.49 71.62,14.23
+Relay_External on Top: 123.36,14.26 122.9,14.61 122.9,24.1 122.44,24.67 124.84,24.66 124.29,24.07 124.29,14.52 123.81,14.26
+Relay_External on Top: 163.78,25.1 164.18,25.41 164.17,35.81 163.12,37.49 162.87,37.95 144.63,37.96 141.79,33.85 35.53,33.85 34.77,33.2 34.76,24.92 35.5,24.4 163.78,24.34 163.78,25.11 163.79,25.11 163.79,25.11 163.77,25.07 163.75,25.09
+Relay_External on Top: 105.91,14.27 105.45,14.62 105.45,24.11 104.99,24.68 107.39,24.67 106.84,24.08 106.84,14.53 106.36,14.27
+Relay_External on Top: 53.77,14.21 53.31,14.56 53.31,24.05 52.85,24.62 55.25,24.61 54.7,24.02 54.7,14.47 54.22,14.21
+Relay_External on Top: 36.42,14.32 35.96,14.67 35.96,24.16 35.5,24.73 37.9,24.72 37.35,24.13 37.35,14.58 36.87,14.32
+Relay_External on Top: 88.42,14.26 87.96,14.61 87.96,24.1 87.5,24.67 89.9,24.66 89.35,24.07 89.35,14.52 88.87,14.26
+Supply on Top: 147.22,62.84 147.34,62.71 147.34,61.75 147.22,61.64 145.17,61.64 144.72,61.17 143.6,61.17 143.44,61.27 143.44,62.14 144.15,62.85 145.61,62.85
+Supply on Top, Bottom: 150.74,69.59 151.65,68.98 167.77,68.96 168.46,68.67 168.46,65.7 168.16,65.32 166.94,65.32 166.95,61.8 165.83,60.73 157.09,60.75 156.78,60.16 156.79,58.42 156.34,58 152.87,58 149.29,60.34 149.27,62.6 148.5,63.24 147.64,63.24 147.4,62.92 147.39,61.83 146.78,61.07 143.17,61.06 138.89,61.07 134.92,64.41 121.32,64.43 119.4,61.68 119.4,60.91 119.08,60.13 119.08,59.47 117.83,59.47 117.83,63.7 117.84,69.28 119.7,71.14 139.82,71.13 142.87,67.49 146.21,67.49 146.22,69.59
+Supply on In3.Cu: 158.41,68.51 157.8,67.93 157.83,61.86 158.47,61.17 165.66,61.14 166.59,62.01 166.62,67.66 165.08,68.45 158.42,68.51
Net-(C16-Pad1) on Top: 120.04,58.4 120.14,58.51 120.9,58.51 121.16,59.35 121.16,61.65 121.29,61.78 124.55,61.78 124.6,55.04 124.5,54.93 121.91,54.92 120.9,57.06 120.14,57.06 120.04,57.15
Net-(J3-1_2) on Top, Bottom, In1.Cu, In2.Cu, In3.Cu, In4.Cu: 146.21,70.18 150.74,70.18 151.97,69.33 159.85,69.33 160.98,70.46 160.98,71.83 159.9,72.92 152.06,72.92 150.88,72.22 146.22,72.22
Net-(Q1-Pad1) on Top: 143.91,72.35 144.08,72.51 145.42,72.51 145.66,72.35 145.66,71.21 145.51,71.05 144.03,71.05 143.91,71.29
Net-(Q1-Pad1) on Top: 143.93,69.8 144.1,69.96 145.44,69.96 145.68,69.8 145.68,68.66 145.53,68.5 144.05,68.5 143.93,68.74
Net-(Q1-Pad1) on Bottom, In1.Cu, In2.Cu, In3.Cu, In4.Cu: 143.9,72.38 144.01,72.49 145.41,72.53 145.67,72.32 145.66,68.52 145.5,68.42 144.17,68.42 143.91,68.6
Net-(U4-SW) on Top: 147.27,56.09 149.74,56.09 149.84,56.29 149.84,57.93 149.74,58.03 148.2,58.03 147.74,58.63 147.41,59.1
Net-(U4-SW) on Top: 147.25,60.18 147.41,60.04 147.41,56.38 147.27,56.09 143.51,56.09 143.37,56.21 143.37,57.38 143.59,57.56 144.4,58.2 146.13,58.19 146.61,59.26 146.61,60.15 146.63,60.18
Net-(U5-SW) on Top: 159.29,56.3 159.34,56.24 159.34,51.9 159.09,51.64 158.07,51.64 158.07,54.79 158.3,55.28 158.3,56.22 158.45,56.37 159.21,56.37
Net-(U5-SW) on Top: 158.07,51.64 158.17,51.74 158.17,54.69 158.4,55.63 156.81,55.63 156.73,55.74 156.55,55.99 156.55,56.89 156.06,56.89 156.06,56 155.9,55.64 154.46,55.63 154.47,51.74 154.57,51.64

Small or netless copper shapes (teardrops, artwork), in the pictures only: 24 on Top, 2 on Bottom, 6 on In3.Cu

## Text on the board
F.Silkscreen: x | y | d | c | +Supply | PB19 | PB18 | PC20 | +5V | +3.3V | PD21 | PD20 | PC19 | PB02 | PC21 | GND | PA02 | PB04 | MOSI | PB22 | PB23 | PB24 | PB25 | PB05 | PB03 | PC18 | SCL1 | SDA1 | PC24 | MISO | PD10 | SCLK | RLY / EXT. | SHDN | OV | UV | GATE | VIN | RX | TX | Expansion 3 | Expansion 1 | Expansion 2 | Supply Out | SCL | Processor Reset | SAMD51P20A-AF | AREF | SWD | LC2 / DRDY | LC1 / DRDY | VDD / CORE | SD / CD | SDA | +9V | Cortex Debug | R | SV 1 | µSD | microSD Card | SV 2 | Normally Off | PT 1-8 | SV 3 | SV Power 1-8 | SV 4 | SV Sense 1-8 | SV 5 | 5V Power | SV 6 | SV 7 | Normally On | 3.3V Power | Main Power Supply | Relay Power Supply | SV 8 | 6V Power | TC 6 | TC 7 | TC 8 | TC 3 | TC 4 | TC 5 | TC 2 | TC 1 | + | LC 1 | LC 2 | Command, Control, and / Instrumentation System | Vulcan 1
